# Altium PCB uz_per_wolfspeed_25kw_FM3.PcbDoc (part 1 of 2) (continued)
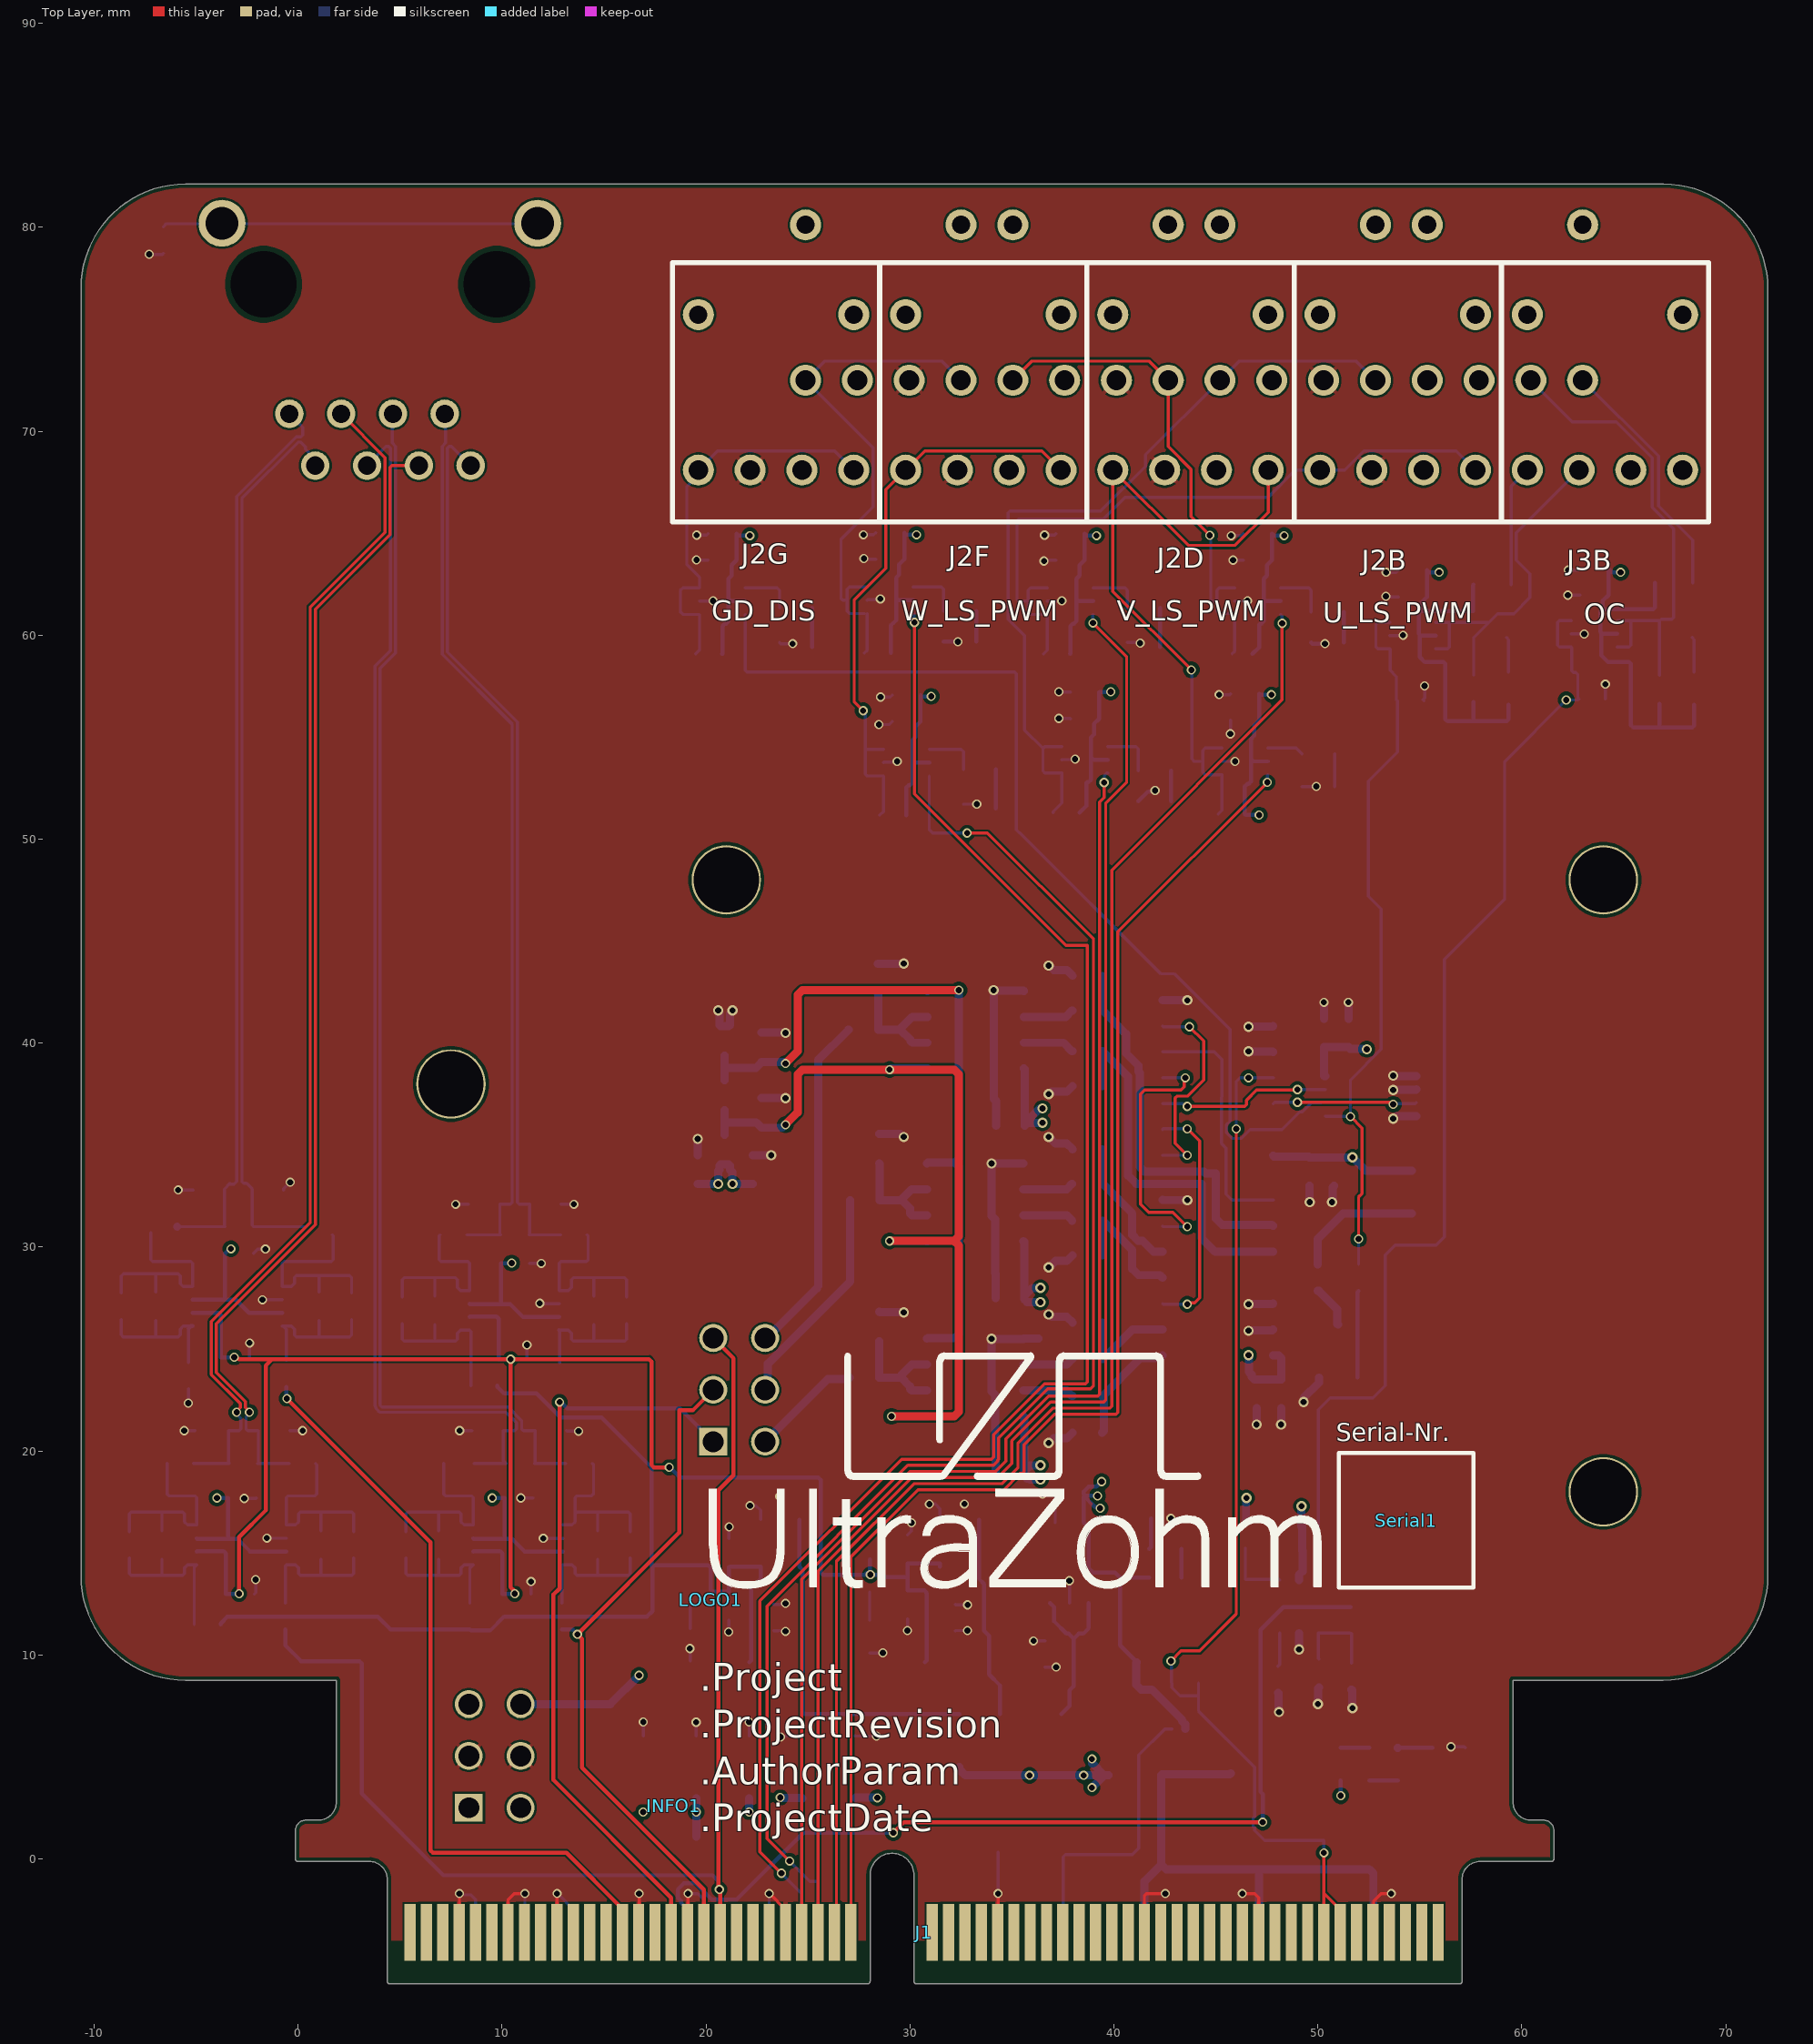
[diagram p0: Top Layer view]
## Components (designator, comment, footprint, x,y, rotation, side; value= is the part's Value field where it differs from the comment) (continued)
R4C "49R9" "RES 0603_1608" -5.772,19.4 r0 bottom (schematic designator R4)
R5A "6k65" "RES 0603_1608" 12.825,23.7 r90 bottom (schematic designator R5)
R5B "6k65" "RES 0603_1608" 12.948,11.9 r90 bottom (schematic designator R5)
R5C "6k65" "RES 0603_1608" -0.614,11.9 r90 bottom (schematic designator R5)
R6A "49R9" "RES 0603_1608" 13.525,30.6 r180 bottom (schematic designator R6)
R6B "49R9" "RES 0603_1608" 13.775,19.4 r180 bottom (schematic designator R6)
R6C "49R9" "RES 0603_1608" 0.213,19.4 r180 bottom (schematic designator R6)
R7A "10k" "RES 0603_1608" 16.11,26.9 r90 bottom (schematic designator R7)
R7B "10k" "RES 0603_1608" 16.291,15.4 r90 bottom (schematic designator R7)
R7C "10k" "RES 0603_1608" 2.728,15.4 r90 bottom (schematic designator R7)
R8A "10k" "RES 0603_1608" 37.673,51.304 r180 bottom (schematic designator R8)
R8B "10k" "RES 0603_1608" 37.204,59.083 r180 bottom (schematic designator R8)
R8C "10k" "RES 0603_1608" 46.45,59.083 r180 bottom (schematic designator R8)
R8D "10k" "RES 0603_1608" 45.765,51.229 r180 bottom (schematic designator R8)
R8E "10k" "RES 0603_1608" 28.423,59.129 r180 bottom (schematic designator R8)
R8F "10k" "RES 0603_1608" 29.165,51.165 r180 bottom (schematic designator R8)
R8G "10k" "RES 0603_1608" 20.15,59.083 r180 bottom (schematic designator R8)
R9A "680R" R_0603_N 42,53.358 r0 bottom (schematic designator R9)
R9B "680R" R_0603_N 41.464,61.333 r0 bottom (schematic designator R9)
R9C "680R" R_0603_N 50.477,61.138 r0 bottom (schematic designator R9)
R9D "680R" R_0603_N 50.025,54.183 r0 bottom (schematic designator R9)
R9E "680R" R_0603_N 32.45,61.183 r0 bottom (schematic designator R9)
R9F "680R" R_0603_N 33.425,53.415 r0 bottom (schematic designator R9)
R9G "680R" R_0603_N 24.41,61.333 r0 bottom (schematic designator R9)
R10A "56R" RES_2012X06N 67.45,62.566 r0 bottom (schematic designator R10)
R10B "56R" RES_2012X06N 58.55,62.483 r0 bottom (schematic designator R10)
R11A "10k" "RES 0603_1608" 66.75,57.383 r90 bottom (schematic designator R11)
R11B "10k" "RES 0603_1608" 57.64,57.383 r90 bottom (schematic designator R11)
R12A "680R" R_0603_N 68.45,57.383 r90 bottom (schematic designator R12)
R12B "680R" R_0603_N 59.35,57.383 r90 bottom (schematic designator R12)
R13A "10k" "RES 0603_1608" 63.45,56.866 r0 bottom (schematic designator R13)
R13B "10k" "RES 0603_1608" 54.55,56.783 r0 bottom (schematic designator R13)
R14 "ERJ-3EKF49R9V" FP-MCR03-IPC_B 38.704,31.3 r0 bottom value=49.9Ω
R15 "ERJ-3EKF49R9V" FP-MCR03-IPC_B 27.8,32.3 r0 bottom value=49.9Ω
R16 "110R" R_0603_TE 20.921,34.777 r0 bottom
R17 "887R" R_0603_TE 20.921,37.447 r0 bottom
R18 "110R" R_0603_TE 20.921,40.107 r0 bottom
R19 "ERJ-3EKF49R9V" FP-MCR03-IPC_B 38.7,33.1 r0 bottom value=49.9Ω
R20 "ERJ-3EKF49R9V" FP-MCR03-IPC_B 38.7,22.7 r0 bottom value=49.9Ω
R21 "ERJ-3EKF49R9V" FP-MCR03-IPC_B 27.773,23.6 r0 bottom value=49.9Ω
R22 "ERJ-3EKF49R9V" FP-MCR03-IPC_B 38.7,24.5 r0 bottom value=49.9Ω
R23 "ERJ-3EKF49R9V" FP-MCR03-IPC_B 38.7,39.6 r0 bottom value=49.9Ω
R24 "ERJ-3EKF49R9V" FP-MCR03-IPC_B 27.73,40.656 r0 bottom value=49.9Ω
R25 "ERJ-3EKF49R9V" FP-MCR03-IPC_B 38.7,41.6 r0 bottom value=49.9Ω
R26 "680R" R_0603_N 51.125,4.65 r270 bottom
R27 "680R" R_0603_N 42.525,13.8 r180 bottom
R28 "49R9" "RES 0603_1608" 19.2,13.6 r270 bottom
R29 "680R" R_0603_N 28.03,13.886 r90 bottom
R30 "680R" R_0603_N 52.525,4.65 r90 bottom
R31 "680R" R_0603_N 42.525,15.2 r0 bottom
R32 "680R" R_0603_N 53.925,4.65 r270 bottom
R33 "10k" "RES 0603_1608" -8.675,27.1 r90 bottom
R34 "6k65" "RES 0603_1608" -5.375,23.7 r90 bottom
R35 "49R9" "RES 0603_1608" -6.575,31 r0 bottom
R36 "6k65" "RES 0603_1608" -0.575,23.8 r90 bottom
R37 "49R9" "RES 0603_1608" 1.025,31 r180 bottom
R38 "10k" "RES 0603_1608" 2.625,27.1 r90 bottom
R39 "10k" "RES 0603_1608" 52,28.5 r90 bottom
R40 "220R" "RES 0603_1608" 50,28.5 r90 bottom
R41 "10k" "RES 0603_1608" 51.65,11.7 r90 bottom
R42 "10k" "RES 0603_1608" 51.65,8.95 r90 bottom
R43 "68k" "RES 0603_1608" 48.05,8.8 r90 bottom
R44 "182k" "RES 0603_1608" 46.45,15.9 r90 bottom
R45 "976k" "RES 0603_1608" 46.45,13.05 r90 bottom
Serial1 "Serialnumber 6.3 x 6.3 mm" SERIAL_6.3X6.3MM 54.325,16.6 r0 top value=REV
T1 "MMBT3904" SOT95P280X145-3N 51,24.9 r90 bottom value="40 V"
U1A "THS4561IDGKT" SOP65P490X110-8N 10.61,26.9 r0 bottom value=Rail-to-Rail (schematic designator U1)
U1B "THS4561IDGKT" SOP65P490X110-8N 10.791,15.4 r0 bottom value=Rail-to-Rail (schematic designator U1)
U1C "THS4561IDGKT" SOP65P490X110-8N -2.772,15.4 r0 bottom value=Rail-to-Rail (schematic designator U1)
U2A "Dual Inverter" SN74LVC2GU04DCKR 38.573,53.889 r180 bottom (schematic designator U2)
U2B "Dual Inverter" SN74LVC2GU04DCKR 37.864,61.668 r180 bottom (schematic designator U2)
U2C "Dual Inverter" SN74LVC2GU04DCKR 47.05,61.668 r180 bottom (schematic designator U2)
U2D "Dual Inverter" SN74LVC2GU04DCKR 46.425,53.814 r180 bottom (schematic designator U2)
U2E "Dual Inverter" SN74LVC2GU04DCKR 29.023,61.714 r180 bottom (schematic designator U2)
U2F "Dual Inverter" SN74LVC2GU04DCKR 29.825,53.75 r180 bottom (schematic designator U2)
U2G "Dual Inverter" SN74LVC2GU04DCKR 20.81,61.668 r180 bottom (schematic designator U2)
U3A "Dual Inverter" SN74LVC2GU04DCKR 63.55,60.066 r180 bottom (schematic designator U3)
U3B "Dual Inverter" SN74LVC2GU04DCKR 54.65,59.983 r180 bottom (schematic designator U3)
U4 "TLV3502AID" FP-D0008A-IPC_B 33.2,32.2 r0 bottom value=N/A
U5 "TLV3502AID" FP-D0008A-IPC_B 33.2,23.6 r0 bottom value=N/A
U6 "TLV3502AID" FP-D0008A-IPC_B 33.23,40.656 r0 bottom value=N/A
U7 "TPS7A2033PDBVR" DBV0005A-IPC_A 37.825,13.7 r90 bottom
U8 "REF35170QDBVR" DBV0006A-IPC_A 23.63,15.486 r270 bottom
U9 "REF35250QDBVR" DBV0006A-IPC_A 32.43,15.486 r270 bottom
U10 "THS4561IDGKT" SOP65P490X110-8N -2.97,27.1 r0 bottom value=Rail-to-Rail
U11 "Dual Inverter" SN74LVC2GU04DCKR 43.5,7.5 r90 bottom
U12 "SN74HCS08DR" SOIC127P600X175-14N 45.1,38.3 r0 bottom value="2 - 6 V"
U13 "SN74HCS08DR" SOIC127P600X175-14N 45.1,28.5 r0 bottom value="2 - 6 V"
U14 "SN74LVC1G74DCTR" MSOP-8 52.6,37.4 r180 bottom
X1 "R-RJ45R10P-B000" R-RJ45R10P-B000 4,74.7 r0 bottom
X2 "2.54-2*3" SAMTEC_TSW-103-05-G-D 8.376,2.509 r90 bottom
X3 "2.54-2*3" SAMTEC_TSW-103-05-G-D 20.36,20.46 r90 bottom

## Footprints (in the part's own frame and the unit in brackets; to place one, negate y for a bottom-side part, rotate by r counter-clockwise, add the part's x,y. Pads: shape width x height; smd on the part's side, far side on the other; paste and mask are expansions set on the pad)
C_0603 [mm] "Chip Capacitor, Body 1.6x0.8mm, Height 1.0mm, IPC High Density"
  rect 0.7x0.9 smd: 1(-0.7,0) 2(0.7,0)
  silkscreen extent -0.05,-0.35 0.05,0.35, body extent -0.87,-0.47 0.88,0.48, height 1
C_0603_TE [mm] "Vishay VJ0603 1.6 x 0.8 (+0.15/-0.1) 0.4 +/- 0,15mm Kontakte"
  rrect33% 0.88x0.71 smd: 1(0,0.77) 2(0,-0.77)
  body extent -0.4,-0.8 0.4,0.8, height 1
C_1206 [mm]
  rrect33% 1.21x1.82 smd: 1(1.45,0) 2(-1.45,0)
  silkscreen extent -0.5,-0.9 0.5,0.9, body extent -1.6,-0.81 1.6,0.81, height 1.82
DBV0005A-IPC_A [mm]
  rect 1.805x0.612 smd paste+0 mask+0: 1(-1.15,0.95) 2(-1.15,0) 3(-1.15,-0.95) 4(1.15,-0.95) 5(1.15,0.95)
  silkscreen extent -3.03,-1.7 1.4,1.7, body extent -1.4,-1.45 1.4,1.45, height 1.2
DBV0006A-IPC_A [mm]
  rect 1.805x0.61 smd paste+0 mask+0: 1(-1.15,0.95) 2(-1.15,0) 3(-1.15,-0.95) 4(1.15,-0.95) 5(1.15,0) 6(1.15,0.95)
  silkscreen extent -2.73,-1.7 1.4,1.7, body extent -1.4,-1.45 1.4,1.45, height 1.2
Design_info [mm] "Design information about the PCB"
FP-C0603C-CF-IPC_B [mm]
  rect 1.007x0.958 smd paste+0 mask+0: 1(-0.726,0) 2(0.726,0)
  silkscreen extent -1.23,-0.88 1.23,0.88, body extent -0.8,-0.4 0.8,0.4, height 0.87
FP-D0008A-IPC_B [mm]
  rect 2.169x0.582 smd paste+0 mask+0: 1(-2.364,1.905)
  rrect100% 2.169x0.582 smd paste+0 mask+0: 2(-2.364,0.635) 3(-2.364,-0.635) 4(-2.364,-1.905) 5(2.364,-1.905) 6(2.364,-0.635) 7(2.364,0.635) 8(2.364,1.905)
  silkscreen extent -4.12,-2.45 0.78,2.45, body extent -3,-2.45 3,2.45, height 1.75
FP-MCR03-IPC_B [mm]
  rect 0.958x0.912 smd paste+0 mask+0: 1(-0.727,0) 2(0.727,0)
  silkscreen extent -1.21,-0.86 1.21,0.86, body extent -0.8,-0.4 0.8,0.4, height 0.55
HFBRx5XX [mil]
  round 60 hole 38: 1(0,0) 2(-100,0) 3(-200,0) 4(-300,0)
  round 60 hole 35: 5(-300,-300) 8(0,-300)
  silkscreen extent -350,-400 50,100, body extent -350,-610 130,130, height 344
HSEC8-TI-160-SAMTEC-Connector [mm]
  rect 0.55x2.8 smd mask+0.05: 1(-24.4,-13.8) 3(-23.6,-13.8) 5(-22.8,-13.8) 7(-22,-13.8) 9(-21.2,-13.8) 11(-20.4,-13.8) 13(-19.6,-13.8) 15(-18.8,-13.8) 17(-18,-13.8) 19(-17.2,-13.8) 21(-16.4,-13.8) 23(-15.6,-13.8) 25(-14.8,-13.8) 27(-14,-13.8) 29(-13.2,-13.8) 31(-12.4,-13.8) 33(-11.6,-13.8) 35(-10.8,-13.8) 37(-10,-13.8) 39(-9.2,-13.8) 41(-8.4,-13.8) 43(-7.6,-13.8) 45(-6.8,-13.8) 47(-6,-13.8) 49(-5.2,-13.8) 51(-4.4,-13.8) 53(-3.6,-13.8) 55(-2.8,-13.8) 57(1.2,-13.8) 59(2,-13.8) 61(2.8,-13.8) 63(3.6,-13.8) 65(4.4,-13.8) 67(5.2,-13.8) 69(6,-13.8) 71(6.8,-13.8) 73(7.6,-13.8) 75(8.4,-13.8) 77(9.2,-13.8) 79(10,-13.8) 81(10.8,-13.8) 83(11.6,-13.8) 85(12.4,-13.8) 87(13.2,-13.8) 89(14,-13.8) 91(14.8,-13.8) 93(15.6,-13.8) 95(16.4,-13.8) 97(17.2,-13.8) 99(18,-13.8) 101(18.8,-13.8) 103(19.6,-13.8) 105(20.4,-13.8) 107(21.2,-13.8) 109(22,-13.8) 111(22.8,-13.8) 113(23.6,-13.8) 115(24.4,-13.8) 117(25.2,-13.8) 119(26,-13.8)
  rect 0.55x2.8 smd far side mask+0.05: 2(-24.4,-13.8) 4(-23.6,-13.8) 6(-22.8,-13.8) 8(-22,-13.8) 10(-21.2,-13.8) 12(-20.4,-13.8) 14(-19.6,-13.8) 16(-18.8,-13.8) 18(-18,-13.8) 20(-17.2,-13.8) 22(-16.4,-13.8) 24(-15.6,-13.8) 26(-14.8,-13.8) 28(-14,-13.8) 30(-13.2,-13.8) 32(-12.4,-13.8) 34(-11.6,-13.8) 36(-10.8,-13.8) 38(-10,-13.8) 40(-9.2,-13.8) 42(-8.4,-13.8) 44(-7.6,-13.8) 46(-6.8,-13.8) 48(-6,-13.8) 50(-5.2,-13.8) 52(-4.4,-13.8) 54(-3.6,-13.8) 56(-2.8,-13.8) 58(1.2,-13.8) 60(2,-13.8) 62(2.8,-13.8) 64(3.6,-13.8) 66(4.4,-13.8) 68(5.2,-13.8) 70(6,-13.8) 72(6.8,-13.8) 74(7.6,-13.8) 76(8.4,-13.8) 78(9.2,-13.8) 80(10,-13.8) 82(10.8,-13.8) 84(11.6,-13.8) 86(12.4,-13.8) 88(13.2,-13.8) 90(14,-13.8) 92(14.8,-13.8) 94(15.6,-13.8) 96(16.4,-13.8) 98(17.2,-13.8) 100(18,-13.8) 102(18.8,-13.8) 104(19.6,-13.8) 106(20.4,-13.8) 108(21.2,-13.8) 110(22,-13.8) 112(22.8,-13.8) 114(23.6,-13.8) 116(24.4,-13.8) 118(25.2,-13.8) 120(26,-13.8)
LEDM2012X80N [mm]
  rect 1.1x1.2 smd: 1(-1.05,0) 2(1.05,0)
  silkscreen extent -2.16,-0.96 1.9,0.9, body extent -1,-0.63 1,0.63, height 0.7
MSOP-8 [mm]
  oval 1.35x0.45 smd: 1(-2.45,0.975) 2(-2.45,0.325) 3(-2.45,-0.325) 4(-2.45,-0.975) 5(2.45,-0.975) 6(2.45,-0.325) 7(2.45,0.325) 8(2.45,0.975)
  silkscreen extent -1.9,-1.55 0.95,1.8, body extent -2.45,-1.5 2.45,1.5, height 0.96
R-RJ45R10P-B000 [mm] "RJ45Receptacle 1 Shielded Bend insert Without LED 0℃~+70℃ Plugin Ethernet Connectors / Modular Connectors (RJ45 RJ11) ROHS"
  round 1.4 hole 0.9: A1(-4.425,3.842) A2(-3.155,6.382) A3(-1.885,3.842) A4(-0.615,6.382) A5(0.655,3.842) A6(1.925,6.382) A7(3.195,3.842) A8(4.465,6.382)
  round 1.065 hole 3.25 unplated: MH3(-5.69,-2.508) MH4(5.74,-2.508)
  round 2.3 hole 1.6: S1(-7.725,-5.5) S2(7.75,-5.5)
  silkscreen extent -9.1,-13.45 9.08,7.97, body extent -7.9,-10.43 7.9,8.37, height 14.5
R_0603_N [mm] "SMD Resistor, Body 1.6x0.8mm, IPC Medium Density"
  rect 0.9x1 smd: 1(-0.8,0) 2(0.8,0)
  silkscreen extent -0.05,-0.4 0.05,0.4, body extent -0.8,-0.4 0.8,0.4, height 0.44
R_0603_TE [mm] "Vishay D0603 1.55 x 0.85 (+0.1/-0.05) 0.3 +/- 0,2mm Kontakte"
  rrect33% 0.9x0.5 smd: 1(0,0.73) 2(0,-0.73)
  body extent -0.42,-0.78 0.43,0.77, height 0.45
"RES 0603_1608" [mm] "Chip Resistor, 2-Leads, Body 1.60x0.80mm, IPC Medium Density"
  rect 0.85x0.95 smd: 1(-0.65,0) 2(0.65,0)
  silkscreen extent -1.27,-0.7 1.27,0.7, body extent -0.8,-0.4 0.8,0.4, height 0.45
RES_2012X06N [mm] "Chip Resistor, 2-Leads, Body 2,00x1,25mm, IPC Medium Density"
  rect 1x1.4 smd: 1(-0.925,0) 2(0.925,0)
  silkscreen extent -0.15,-0.64 0.15,0.64, body extent -1,-0.63 1,0.62, height 0.45
SAMTEC_TSW-103-05-G-D [mm]
  rect 1.37x1.37 hole 1.02: 01(0,0)
  round 1.37 hole 1.02: 02(0,2.54) 03(2.54,0) 04(2.54,2.54) 05(5.08,0) 06(5.08,2.54)
  silkscreen extent -2.02,-1.27 6.35,3.81, body extent -1.27,-1.27 6.35,3.81, height 5.33
SERIAL_6.3X6.3MM [mm]
  silkscreen extent -3.3,-3.3 3.3,3.3
SN74LVC2GU04DCKR [mm] "TSOP, 6-Leads, Body 2,00x1,25mm, Pitch 0,65mm, IPC Medium Density"
  oval 0.85x0.4 smd: 1(1.125,-0.65) 2(1.125,0) 3(1.125,0.65) 4(-1.125,0.65) 5(-1.125,0) 6(-1.125,-0.65)
  silkscreen extent -0.3,-1.52 1.25,1.1, body extent -0.7,-1.1 0.7,1.1, height 1.1
SOIC127P600X175-14N [mm]
  rect 1.525x0.65 smd: 1(-2.712,3.81) 2(-2.712,2.54) 3(-2.712,1.27) 4(-2.712,0) 5(-2.712,-1.27) 6(-2.712,-2.54) 7(-2.712,-3.81) 8(2.712,-3.81) 9(2.712,-2.54) 10(2.712,-1.27) 11(2.712,0) 12(2.712,1.27) 13(2.712,2.54) 14(2.712,3.81)
  silkscreen extent -3.47,-4.33 1.6,4.48, body extent -3.01,-4.33 3.01,4.33, height 1.75
SOP65P490X110-8N [mm]
  rect 1.4x0.45 smd: 1(-2.2,0.975) 2(-2.2,0.325) 3(-2.2,-0.325) 4(-2.2,-0.975) 5(2.2,-0.975) 6(2.2,-0.325) 7(2.2,0.325) 8(2.2,0.975)
  silkscreen extent -2.34,-1.5 1.15,1.7, body extent -2.45,-1.5 2.45,1.5, height 1.1
SOT95P280X100-6N [mm]
  rect 1.05x0.55 smd: 1(-1.3,0.95) 2(-1.3,0) 3(-1.3,-0.95) 4(1.3,-0.95) 5(1.3,0) 6(1.3,0.95)
  silkscreen extent -1.83,-1.45 0.43,1.58, body extent -1.4,-1.45 1.4,1.45, height 1
SOT95P280X145-3N [mm] "SOT23, 3-Leads, Body 3,0x3,0mm (max), Pitch 0,95mm, IPC Medium Density"
  oval 1.1x0.6 smd: 1(-1.3,0.95) 2(-1.3,-0.95) 3(1.3,0)
  silkscreen extent -1.4,-1.45 0.85,1.83, body extent -1.25,-1.46 1.23,1.46, height 1.01
TP_1mm [mm]
  round 1 smd paste-1: 1(0,0)
  silkscreen extent -0.75,-0.75 0.75,0.75
UZ_Logo_small [mm] "logo width 3cm"
  silkscreen extent -0.05,0.57 29.94,12.12
"WE-CBF_0805_High Current" [mm] "SMD EMI Suppression Ferrite  Bead, body 2.0mmx1.2mm"
  rect 1.4x1 smd: 1(-1.3,0) 2(1.3,0)
  silkscreen extent -2.25,-0.75 2.25,0.75, body extent -1,-0.6 1,0.6, height 0.93
WL-SMCW_0603 [mm] "SMD Mono-color Chip LED, body 1.6x0.8mm"
  rect 0.8x0.8 smd: 1(-0.8,0) 2(0.8,0)
  silkscreen extent -1.59,-0.65 1.45,0.83, body extent -0.8,-0.4 0.8,0.4, height 0.7

## Part data
1 2 3 4 5 GND1: library part TP_1mm, Created=2018_06_25_AGeiger
C1 C2 C3 C4 C5: library part CL31A106KBHNNNE, "50V 10uF X5R ±10% 1206 Multilayer Ceramic Capacitors MLCC - SMD/SMT ROHS", Device Package=1206, LCSC Part Number=C13585, Manufacturer="Samsung Electro-Mechanics", Operating Temperature="-55 to + 85°C", TOLERANCE=10%, Voltage Rating=50V, Component Type="Capacitor 1206", ComponentLink1Description=Datasheet, ComponentLink1URL=https://www.lcsc.com/datasheet/lcsc_datasheet_2304140030_Samsung-Electro-Mechanics-CL31A106KBHNNNE_C13585.pdf, Created from=SPark, Created On="28/02/2025 14:49:17", Last Updated="28/02/2025 14:49:17", Live Cycle Status=1, Manufacturer Part Number=CL31A106KBHNNNE, Mounting Type=SMD, PartID=164, Series=X5R, Supplier 1=LCSC, Supplier Part Number 1=C13585, Type=Capacitor
C6A C6B C6C C12A C12B C12C C48 C54: library part CL10C560JB8NNNC, "Capacitor 0603, 50 VDC, 56 pF, C0G", Device Package=0603, LCSC Part Number=C39148, Manufacturer="Samsung Electro-Mechanics", Operating Temperature="-55 - 125°C", Supplier Part Number 1=187-CL10C560JB8NNNC, TOLERANCE="5 %", Voltage Rating="50 VDC", Component Type="Capacitor 0603", ComponentLink1Description=Datasheet, ComponentLink1URL=https://www.mouser.de/datasheet/2/585/MLCC-1837944.pdf, Created from=DHufnagel, Live Cycle Status=1, Manufacturer Part Number=CL10C560JB8NNNC, Mounting Type=SMD, PartID=92, Series=CL, Stock number="not stored", Supplier 1=Mouser, Supplier 2=LCSC, Supplier Part Number 2=C39148, Type=Capacitor
  C6A C6B C6C C12A C12B C12C: Created On="20.12.2020 13:54:13", Last Updated="20.12.2020 16:24:16"
  C48 C54: Created On="20/12/2020 13:54:13", Last Updated="20/12/2020 16:24:16"
C7A C7B C7C C9A C9B C9C C49 C51: library part CL10C101JB8NNNC, "50V 100pF C0G ±5% 0603 Multilayer Ceramic Capacitors MLCC - SMD/SMT ROHS", Device Package=0603, LCSC Part Number=C14858, Manufacturer="Samsung Electro-Mechanics", Operating Temperature="-55 - 125°C", TOLERANCE="5 %", Voltage Rating="50 VDC", Component Type="Capacitor 0603", ComponentLink1Description=Datasheet, ComponentLink1URL=https://datasheet.lcsc.com/lcsc/1811151136_Samsung-Electro-Mechanics-CL10C101JB8NNNC_C14858.pdf, Created from=AGeiger, Created On="03/09/2022 10:55:28", Last Updated="08/08/2024 13:37:35", Live Cycle Status=1, Manufacturer Part Number=CL10C101JB8NNNC, Mounting Type=SMD, PartID=106, Series=C0G, Supplier 1=LCSC, Supplier 2=Mouser, Supplier Part Number 1=C14858, Supplier Part Number 2=187-CL10C101JB8NNNC, Type=Capacitor
C8A C8B C8C: library part 06035C222JAT2A, "Capacitor 0603, 50 VDC, 2.2 nF, X7R", Device Package=0603, LCSC Part Number=C93190, Manufacturer=AVX, Operating Temperature="-55 - 125°C", Supplier Part Number 1=C86023, TOLERANCE="5 %", Voltage Rating="50 VDC", Component Type="Capacitor 0603", ComponentLink1Description=Datasheet, ComponentLink1URL=https://www.mouser.de/datasheet/2/40/X7RDielectric-777024.pdf, Created from=MGremer, Created On="20/12/2020 13:54:13", Last Updated="15/02/2023 17:14:22", Live Cycle Status=1, Manufacturer Part Number=06035C222JAT2A, Mounting Type=SMD, PartID=77, Series="MLCC X7R", Stock number="not stored", Supplier 1=LCSC, Supplier 2=LCSC, Supplier Part Number 2=C86023, Type=Capacitor
C10A C10B C10C C11A C11B C11C C13A C13B C13C C13D C13E C13F C13G C15A C15B C28 C29 C30 C31 C37 C38 C41 C42 C45 C46 C52 C53 C55 C57 C59 C61 C62: library part C0603C104K5RAC3121, "Capacitor 0603, 50 VDC, 100nF, X7R", Device Package=0603, LCSC Part Number=C14663, Manufacturer=KEMET, Operating Temperature="-55 - 125°C", Supplier Part Number 1=80-C603C104K5RAC3121, TOLERANCE="10 %", Voltage Rating="50 VDC", Component Type="Capacitor 0603", ComponentLink1Description=Datasheet, ComponentLink1URL=https://www.mouser.de/datasheet/2/212/KEM_C1023_X7R_AUTO_SMD-1093309.pdf, Created from=DHufnagel, Created On="11/08/2022 14:33:29", Last Updated="19/08/2022 08:26:58", Live Cycle Status=1, Manufacturer Part Number=C0603C104K5RAC3121, Mounting Type=SMD, PartID=99, Series=X7R, Stock number="not stored", Supplier 1=Mouser, Supplier 2=LCSC, Supplier Part Number 2=C14663, Type=Capacitor
C14A C14B C14C C14D C14E C14F C14G C16A C16B C32 C33 C34 C35 C36 C39 C40 C43 C44 C47 C56 C58 C60 C63: library part C0603C105K3RAC7411, "Capacitor 0603, 25 VDC, 1 µF, X7R", Device Package=0603, LCSC Part Number=C29936, Manufacturer=KEMET, Operating Temperature="-55 - 125°C", Supplier Part Number 1=80-C0603C105K3RLR, TOLERANCE="10 %", Voltage Rating="25 VDC", Component Type="Capacitor 0603", ComponentLink1Description=Datasheet, ComponentLink1URL=https://www.mouser.de/datasheet/2/212/KEM_C1002_X7R_SMD-1102033.pdf, Created from=MGremer, Created On="20/12/2020 13:54:13", Last Updated="20/12/2020 16:43:05", Live Cycle Status=1, Manufacturer Part Number=C0603C105K3RAC7411, Mounting Type=SMD, PartID=4, Series="SMD Comm X7R", Stock number="Labor SMD Container", Supplier 1=Mouser, Type=Capacitor
C17 C18: library part CMP-2006-03057-2, "CAP CER 0.1UF 25V X7R 0603", Capacitance=0.10μF, Manufacturer=KEMET, Package=0603, Temperature="-55°C to +125°C", Temperature Characteristic=X7R, Temperature Coefficient=30ppm/°C, Temperature Range High=+125°C, Temperature Range Low=-55°C, TOLERANCE=0.1, Voltage Rating=25V, Automotive=Yes, Automotive Grade="Grade 1", Category=Cap, ComponentLink2Description=Datasheet, ComponentLink2URL=https://api.kemet.com/component-edge/download/datasheet/C0603C100J5GACAUTO.pdf, Device Class L1="Passive Components", Device Class L2=Capacitors, Device Class L3="Ceramic Capacitors", Digikey Description="CAP CER 0.1UF 25V X7R 0603", Height=0.87mm, Lead Free=Yes, Manufacturer Part Number=C0603C104K3RACTU, Material=Ceramic, Mouser Description="Multilayer Ceramic Capacitors MLCC - SMD/SMT 25volts 0.1uF X7R 10%", Octopart=https://octopart.com/c0603c104k3ractu-kemet-127541, RoHS=TRUE
C19 C21 C22 C24 C25 C27: "CAP CER 56PF 50V C0G/NP0 0603", Capacitance=56pF, Case Code (Imperial)=0603, Case Code (Metric)=1608, Dielectric=C0G, Manufacturer=SAMSUNG, Max Operating Temperature=125°C, Min Operating Temperature=-55°C, Package Quantity=1, Temperature Coefficient=30ppm/°C, TOLERANCE=5%, Voltage=50V, Category="Ceramic Capacitors", ComponentLink1Description=https://datasheet.ciiva.com/25803/cl10c560jb8nnnc-25803592.pdf?src-supplier=Digi-Key, ComponentLink1URL=https://datasheet.ciiva.com/25803/cl10c560jb8nnnc-25803592.pdf?src-supplier=Digi-Key, ComponentLink2Description=https://datasheet.ciiva.com/26838/getdatasheetpartid-640760-26838546.pdf?src-supplier=Verical, ComponentLink2URL=https://datasheet.ciiva.com/26838/getdatasheetpartid-640760-26838546.pdf?src-supplier=Verical, ComponentLink3Description=https://datasheet.ciiva.com/29198/456837-da-01-en-vs-kondensator-0603-29198873.pdf?src-supplier=Conrad, ComponentLink3URL=https://datasheet.ciiva.com/29198/456837-da-01-en-vs-kondensator-0603-29198873.pdf?src-supplier=Conrad, ComponentLink4Description=https://datasheet.ciiva.com/48428/mlcc-catalogdownload2013-eng-48428598.pdf?src-supplier=Distrelec, ComponentLink4URL=https://datasheet.ciiva.com/48428/mlcc-catalogdownload2013-eng-48428598.pdf?src-supplier=Distrelec, ComponentLink5Description=https://datasheet.ciiva.com/16449/cl05b104kq5nnnc-16449527.pdf?src-supplier=Future+Electronics, ComponentLink5URL=https://datasheet.ciiva.com/16449/cl05b104kq5nnnc-16449527.pdf?src-supplier=Future+Electronics, Construction=Flat, Depth=0.8mm, Height=0.8mm, Lead Free="Lead Free", Length=1.6mm, Manufacturer Part Number=CL10C560JB8NNNC, Material=Ceramic, Mount="Surface Mount", Package=0603, Packaging="Tape and Reel", Pricing 1="1=0.05960, 10=0.01370, 25=0.01360, 100=0.01080, 250=0.01070, 500=0.00740, 1000=0.00590, 3000=0.00560, 6000=0.00530, 15000=0.00500, 30000=0.00470 (USD)", Radiation Hardening=No, RoHS=Yes, RoHS Compliant=Yes, Series=CL, Stock 1=60182, Supplier 1="Arrow Electronics", Supplier Part Number 1=CL10C560JB8NNNC, Termination=SMD/SMT, Thickness=0.035inch, Voltage Rating=50V, Voltage Rating (DC)=50V, Width=0.031inch
C20 C23 C26: "CAP CER 4700PF 25V 10% X7R 0603", Capacitance=4.7nF, Case Code (Imperial)=0603, Case Code (Metric)=1608, Dielectric=X7R, Dielectric Material=Ceramic, Manufacturer=KEMET, Manufacturer Part Number=C0603C472K3RACTU, Max Operating Temperature=125°C, Min Operating Temperature=-55°C, Package Quantity=1, Supplier Part Number 1=67AH9250, TOLERANCE=10%, Voltage Rating=25V, Category="Ceramic Capacitors", ComponentLink1Description=https://datasheet.ciiva.com/5414/kem-c1002-x7r-smd-357932-5414293.pdf?src-supplier=Mouser, ComponentLink1URL=https://datasheet.ciiva.com/5414/kem-c1002-x7r-smd-357932-5414293.pdf?src-supplier=Mouser, Construction=Flat, Depth=0.8mm, Dissipation Factor=10%, Height=0.8mm, Lead Pitch=0.7mm, Length=1.6mm, Mount="Surface Mount", Package=0603, Packaging="Tape and Reel", Pricing 1="1=0.04800, 4000=0.04800 (USD)", Radiation Hardening=No, Reach SVHC Compliant=Yes, RoHS=Yes, RoHS Compliant=Yes, Series=C, Stock 1=8000, Supplier 1=Newark, Termination=SMD/SMT, Thickness=0.034inch, Voltage Rating (DC)=25V, Width=0.031inch